# Allegro board gps_interface_boardv54dc.brd (continued)
## Placement (name value [footprint] x y rotation side) (continued)
R74  75 Ohm  [RES0805]  85.06 16.92 0 bottom
R75  DNP  [RES0603]  67.79 7.59 180 top
R76  DNP  [RES0603]  67.79 11.18 180 top
R77  DNP  [RES0603]  67.77 14.5 180 top
R78  97.6k  [RES0402]  86.44 4.42 270 top
R79  20k  [RES0402]  84.84 4.45 90 top
R80  75 Ohm  [RES0805]  89.79 16.84 0 bottom
R81  1k  [RES0402]  111.79 30.43 0 bottom
R82  1k  [RES0402]  107.29 29.92 180 bottom
R83  4.7K  [RES0603]  88.72 121.08 270 bottom
R84  4.7K  [RES0603]  73.51 121.08 270 bottom
R85  4.7K  [RES0603]  87.25 121.08 270 bottom
R86  4.7K  [RES0603]  75.03 121.08 270 bottom
R87  4.7K  [RES0603]  85.8 121.08 270 bottom
R88  4.7K  [RES0603]  76.53 121.08 270 bottom
R89  4.7K  [RES0603]  84.33 121.08 270 bottom
R90  4.7K  [RES0603]  78.08 121.08 270 bottom
R91  4.7K  [RES0603]  117.68 118.9 0 bottom
R92  4.7K  [RES0603]  122.4 118.9 180 bottom
R93  4.99k  [RES0402]  88.16 115.75 180 bottom
R94  4.99k  [RES0402]  88.16 114.38 180 bottom
R95  4.99k  [RES0402]  102.18 111.91 0 bottom
R96  4.7K  [RES0603]  112.01 108.41 180 bottom
R97  4.7K  [RES0603]  124.79 107.92 0 bottom
R98  4.7K  [RES0603]  112.01 110.16 180 bottom
R99  4.7K  [RES0603]  124.79 109.75 0 bottom
R100  4.7K  [RES0603]  112.01 111.91 180 bottom
R101  4.7K  [RES0603]  124.79 111.56 0 bottom
R102  4.7K  [RES0603]  106.32 112.01 0 bottom
R103  4.7K  [RES0603]  106.32 110.64 0 bottom
R104  49.9 Ohm  [RES0603]  284.63 17.09 0 top
R105  49.9 Ohm  [RES0603]  281.53 17.09 180 top
R106  1k  [RES0402]  271.17 19 270 bottom
R107  1k  [RES0402]  271.17 24.82 90 bottom
R108  49.9 Ohm  [RES0603]  291.62 17.09 0 top
R109  49.9 Ohm  [RES0603]  288.57 17.09 180 top
R110  1k  [RES0402]  301.42 18.97 270 bottom
R111  1k  [RES0402]  301.4 24.82 90 bottom
R112  0  [RES0402]  44.75 86.59 90 bottom
R113  0  [RES0402]  43.76 86.59 90 bottom
R114  0  [RES0402]  48.29 98.42 0 bottom
R115  0  [RES0402]  45.75 101.98 90 bottom
R116  100  [RES0603]  235.71 20.55 180 bottom
R117  200  [RES0603]  238.86 20.55 0 bottom
R118  0  [RES0402]  44.73 101.98 90 bottom
R119  49.9 Ohm  [RES0603]  285.55 85.24 270 top
R120  49.9 Ohm  [RES0603]  285.55 82.32 90 top
R121  6.81k  [RES0402]  288.7 85.9 270 top
R122  6.81k  [RES0402]  288.7 81.51 90 top
R123  3.83K  [RES0402]  287.63 85.9 90 top
R124  4.7k  [RES0402]  287.27 123.47 270 bottom
R125  4.7k  [RES0402]  282.35 123.47 270 bottom
R126  3.83K  [RES0402]  287.63 81.51 270 top
R127  4.7k  [RES0402]  284.2 123.47 270 bottom
R128  4.99K  [RES0603]  280.29 88.34 0 top
R129  4.7k  [RES0402]  283.29 123.47 270 bottom
R130  4.99K  [RES0603]  280.26 86.94 0 top
R131  100  [RES0402]  278.66 76.56 180 bottom
R132  200  [RES0603]  277.16 107.9 180 bottom
R133  200  [RES0603]  278.36 74.98 180 bottom
R140  49.9 Ohm  [RES0603]  263.47 85.34 270 top
R141  49.9 Ohm  [RES0603]  263.47 82.42 90 top
R142  6.81k  [RES0402]  266.57 85.98 270 top
R143  6.81k  [RES0402]  266.62 81.61 90 top
R144  3.83K  [RES0402]  265.56 85.98 90 top
R145  4.7k  [RES0402]  265.2 123.47 270 bottom
R146  4.7k  [RES0402]  260.27 123.47 270 bottom
R147  3.83K  [RES0402]  265.56 81.61 270 top
R148  4.7k  [RES0402]  262.13 123.47 270 bottom
R149  4.99K  [RES0603]  258.22 88.44 0 top
R150  4.7k  [RES0402]  261.21 123.47 270 bottom
R151  4.99K  [RES0603]  258.19 87.05 0 top
R152  100  [RES0402]  256.59 76.66 180 bottom
R153  200  [RES0603]  255.09 107.9 180 bottom
R154  200  [RES0603]  256.29 75.08 180 bottom
R161  49.9 Ohm  [RES0603]  241.17 85.34 270 top
R162  49.9 Ohm  [RES0603]  241.17 82.42 90 top
R163  6.81k  [RES0402]  244.32 86 270 top
R164  6.81k  [RES0402]  244.32 81.61 90 top
R165  3.83K  [RES0402]  243.26 86 90 top
R166  4.7k  [RES0402]  242.9 123.47 270 bottom
R167  4.7k  [RES0402]  237.97 123.47 270 bottom
R168  3.83K  [RES0402]  243.26 81.61 270 top
R169  4.7k  [RES0402]  239.83 123.47 270 bottom
R170  4.99K  [RES0603]  235.92 88.44 0 top
R171  4.7k  [RES0402]  238.91 123.47 270 bottom
R172  4.99K  [RES0603]  235.89 87.05 0 top
R173  100  [RES0402]  235.05 77.88 180 bottom
R174  200  [RES0603]  232.79 107.9 180 bottom
R175  200  [RES0603]  234.75 76.3 180 bottom
R182  49.9 Ohm  [RES0603]  211.96 85.34 270 top
R183  49.9 Ohm  [RES0603]  211.96 82.42 90 top
R184  6.81k  [RES0402]  215.11 86 270 top
R185  6.81k  [RES0402]  215.11 81.61 90 top
R186  3.83K  [RES0402]  214.05 86 90 top
R187  4.7k  [RES0402]  213.66 123.47 270 bottom
R188  4.7k  [RES0402]  208.74 123.47 270 bottom
R189  3.83K  [RES0402]  214.05 81.61 270 top
R190  4.7k  [RES0402]  210.59 123.47 270 bottom
R191  4.99K  [RES0603]  206.71 88.44 0 top
R192  4.7k  [RES0402]  209.68 123.47 270 bottom
R193  4.99K  [RES0603]  206.68 87.05 0 top
R194  100  [RES0402]  206.1 77.9 180 bottom
R195  200  [RES0603]  203.56 107.9 180 bottom
R196  200  [RES0603]  205.79 76.33 180 bottom
R203  49.9 Ohm  [RES0603]  189.66 85.34 270 top
R204  49.9 Ohm  [RES0603]  189.66 82.42 90 top
R205  6.81k  [RES0402]  192.81 86 270 top
R206  6.81k  [RES0402]  192.81 81.61 90 top
R207  3.83K  [RES0402]  191.74 86 90 top
R208  4.7k  [RES0402]  191.36 123.47 270 bottom
R209  4.7k  [RES0402]  186.44 123.47 270 bottom
R210  3.83K  [RES0402]  191.74 81.61 270 top
R211  4.7k  [RES0402]  188.29 123.47 270 bottom
R212  4.99K  [RES0603]  184.4 88.44 0 top
R213  4.7k  [RES0402]  187.38 123.47 270 bottom
R214  4.99K  [RES0603]  184.38 87.05 0 top
R215  100  [RES0402]  186.92 77.9 180 bottom
R216  200  [RES0603]  181.25 107.9 180 bottom
R217  200  [RES0603]  186.61 76.33 180 bottom
R224  49.9 Ohm  [RES0603]  167.54 85.34 270 top
R225  49.9 Ohm  [RES0603]  167.54 82.42 90 top
R226  6.81k  [RES0402]  170.69 86 270 top
R227  6.81k  [RES0402]  170.69 81.61 90 top
R228  3.83K  [RES0402]  169.62 86 90 top
R229  4.7k  [RES0402]  169.24 123.47 270 bottom
R230  4.7k  [RES0402]  164.31 123.47 270 bottom
R231  3.83K  [RES0402]  169.62 81.61 270 top
R232  4.7k  [RES0402]  166.17 123.47 270 bottom
R233  4.99K  [RES0603]  162.28 88.44 0 top
R234  4.7k  [RES0402]  165.25 123.47 270 bottom
R235  4.99K  [RES0603]  162.28 87.05 0 top
R236  100  [RES0402]  164.8 77.9 180 bottom
R237  200  [RES0603]  159.13 107.9 180 bottom
R238  200  [RES0603]  164.49 76.33 180 bottom
R245  4.7K  [RES0603]  219.38 7.59 270 bottom
R246  4.7K  [RES0603]  207.47 7.67 270 bottom
R247  0  [RES0402]  196.04 13.39 270 top
R248  0  [RES0402]  212.95 13.39 270 top
R249  0  [RES0402]  225.35 12.09 270 top
R250  0  [RES0402]  208.69 12.09 270 top
R251  4.7K  [RES0603]  221.16 7.59 270 bottom
R252  4.7K  [RES0603]  205.82 7.67 270 bottom
R253  0 Ohm  [RES0603]  24.13 86.61 0 top
R254  1k  [RES0402]  261.52 17.98 90 bottom
R255  0  [RES0402]  43.71 101.98 90 bottom
R256  0  [RES0402]  42.7 101.98 90 bottom
R257  0  [RES0402]  40.08 98.4 180 bottom
R258  DNP  [RES0402]  48.36 65.53 0 bottom
R259  0  [RES0402]  45.8 69.09 90 bottom
R260  DNP  [RES0402]  44.78 69.09 90 bottom
R261  DNP  [RES0402]  43.76 69.09 90 bottom
R262  0  [RES0402]  42.75 69.09 90 bottom
R263  0  [RES0402]  40.11 65.58 180 bottom
R264  49.9  [RES0402]  67.76 137.06 0 top
R265  ZERO  [RES0402]  67.71 134.8 180 top
R266  DNP  [RES0402]  67.71 133.43 0 top
R267  49.9  [RES0402]  16.06 136.02 180 top
R268  49.9  [RES0402]  41.46 136.02 180 top
R1540  100  [RES0402]  108.41 79.88 270 top
R1550  DNP  [RES0402]  90.98 82.45 0 top
R2640  143K  [RES0603]  6.12 17.12 270 top
R2650  280 kOhm  [RES0402]  2.84 19.51 270 top
R2660  4.99K  [RES0603]  2.92 22.96 90 top
R2661  DNP  [RES0402]  48.34 47.55 0 bottom
R2662  0  [RES0402]  45.8 51.1 90 bottom
R2663  DNP  [RES0402]  44.78 51.1 90 bottom
R2664  DNP  [RES0402]  43.76 51.1 90 bottom
R2665  0  [RES0402]  42.75 51.1 90 bottom
R2666  0  [RES0402]  40.13 47.52 180 bottom
R2667  0.0055  [RES0805]  52.45 44.83 180 top
R2668  0.0055  [RES0805]  50.93 62.64 90 top
R2669  DNP  [RES0402]  15.67 68.71 270 top
R2670  1k  [RES0402]  90.98 84.99 180 top
R2676  4.7k  [RES0402]  140 123.47 270 bottom
R2677  4.7k  [RES0402]  135.08 123.47 270 bottom
R2679  4.7k  [RES0402]  136.93 123.47 270 bottom
R2681  4.7k  [RES0402]  136.02 123.47 270 bottom
R2683  100  [RES0402]  115.6 123.29 270 top
R2684  200  [RES0603]  110.16 123.65 90 top
R2685  200  [RES0603]  110.92 126.77 180 top
R2686  0  [RES0402]  133.73 72.85 270 top
R2687  0  [RES0402]  143.94 69.14 0 top
R2688  4.7k  [RES0402]  135.64 63.73 180 top
R2689  100  [RES0402]  133.99 97.28 0 top
R2690  200  [RES0603]  129.9 107.9 180 bottom
R2691  200  [RES0603]  130.91 97.28 180 top
R2692  100  [RES0402]  107.49 75.59 0 top
R2693  100  [RES0402]  106.38 85.9 270 top
R2694  1k  [RES0402]  184.12 26.39 90 top
R2695  DNP  [RES0402]  181.58 26.39 90 top
TP6  5002 White  [TP_KEYSTONE_5000A]  129.18 91.9 0 top
TP7  5002 White  [TP_KEYSTONE_5000A]  125.5 91.9 0 top
TP9  5002 White  [TP_KEYSTONE_5000A]  40.46 30.4 0 top
TP10  5002 White  [TP_KEYSTONE_5000A]  40.46 24.13 0 top
TP11  5002 White  [TP_KEYSTONE_5000A]  28.75 36.09 0 top
TP12  5002 White  [TP_KEYSTONE_5000A]  33.45 36.09 0 top
TP13  5002 White  [TP_KEYSTONE_5000A]  40.46 27.3 0 top
TP14  5002 White  [TP_KEYSTONE_5000A]  56.44 7.44 0 top
TP15  5002 White  [TP_KEYSTONE_5000A]  19.38 66.9 0 top
TP16  5002 White  [TP_KEYSTONE_5000A]  19.41 63.35 0 top
TP17  5002 White  [TP_KEYSTONE_5000A]  50.8 79.68 0 top
TP18  5002 White  [TP_KEYSTONE_5000A]  50.83 76.12 0 top
TP20  5002 White  [TP_KEYSTONE_5000A]  50.85 58.12 0 top
TP21  5002 White  [TP_KEYSTONE_5000A]  114.88 111.35 0 top
TP23  5002 White  [TP_KEYSTONE_5000A]  74.75 111.43 0 top
TP25  5002 White  [TP_KEYSTONE_5000A]  118.41 116.76 0 top
TP26  5002 White  [TP_KEYSTONE_5000A]  121.64 116.81 0 top
TP27  5002 White  [TP_KEYSTONE_5000A]  230.78 16.87 0 top
TP28  5002 White  [TP_KEYSTONE_5000A]  230.63 12.75 0 top
TP30  5002 White  [TP_KEYSTONE_5000A]  121.64 109.75 0 top
TP31  5002 White  [TP_KEYSTONE_5000A]  118.41 109.7 0 top
TP32  5002 White  [TP_KEYSTONE_5000A]  121.64 106.22 0 top
TP33  5002 White  [TP_KEYSTONE_5000A]  118.41 106.17 0 top
TP34  5002 White  [TP_KEYSTONE_5000A]  118.41 113.23 0 top
TP35  5002 White  [TP_KEYSTONE_5000A]  121.64 113.28 0 top
TP38  5002 White  [TP_KEYSTONE_5000A]  82.02 106.17 0 top
TP39  5002 White  [TP_KEYSTONE_5000A]  78.49 106.17 0 top
TP40  5002 White  [TP_KEYSTONE_5000A]  82.02 109.7 0 top
TP41  5002 White  [TP_KEYSTONE_5000A]  78.49 109.7 0 top
TP42  5002 White  [TP_KEYSTONE_5000A]  82.02 113.23 0 top
TP43  5002 White  [TP_KEYSTONE_5000A]  78.46 113.23 0 top
TP44  5002 White  [TP_KEYSTONE_5000A]  82.02 116.76 0 top
TP45  5002 White  [TP_KEYSTONE_5000A]  78.44 116.76 0 top
TP50  5002 White  [TP_KEYSTONE_5000A]  284.35 96.57 270 top
TP51  5002 White  [TP_KEYSTONE_5000A]  262.41 96.6 270 top
TP52  5002 White  [TP_KEYSTONE_5000A]  239.67 96.6 270 top
TP53  5002 White  [TP_KEYSTONE_5000A]  210.06 96.55 270 top
TP54  5002 White  [TP_KEYSTONE_5000A]  184.84 95 270 top
TP55  5002 White  [TP_KEYSTONE_5000A]  166.01 95 270 top
TP56  5002 White  [TP_KEYSTONE_5000A]  281.18 96.6 270 top
TP57  5002 White  [TP_KEYSTONE_5000A]  259.23 96.6 270 top
TP58  5002 White  [TP_KEYSTONE_5000A]  236.5 96.6 270 top
TP59  5002 White  [TP_KEYSTONE_5000A]  206.88 96.55 270 top
TP60  5002 White  [TP_KEYSTONE_5000A]  181.66 95.02 270 top
TP61  5002 White  [TP_KEYSTONE_5000A]  162.84 95 270 top
TP62  5002 White  [TP_KEYSTONE_5000A]  277.98 96.6 270 top
TP64  5002 White  [TP_KEYSTONE_5000A]  256.03 96.6 270 top
TP66  5002 White  [TP_KEYSTONE_5000A]  233.3 96.6 270 top
TP68  5002 White  [TP_KEYSTONE_5000A]  203.68 96.55 270 top
TP70  5002 White  [TP_KEYSTONE_5000A]  178.46 95 270 top
TP72  5002 White  [TP_KEYSTONE_5000A]  159.64 95 270 top
TP75  5002 White  [TP_KEYSTONE_5000A]  56.39 3.99 0 top
TP76  5002 White  [TP_KEYSTONE_5000A]  271.7 11.96 0 top
TP77  5002 White  [TP_KEYSTONE_5000A]  271.68 15.16 0 top
TP78  5002 White  [TP_KEYSTONE_5000A]  297.1 11.89 0 top
TP79  5002 White  [TP_KEYSTONE_5000A]  297.13 15.14 0 top
TP80  5002 White  [TP_KEYSTONE_5000A]  291.69 39.42 0 top
TP81  5002 White  [TP_KEYSTONE_5000A]  300.46 11.86 0 top
TP82  5002 White  [TP_KEYSTONE_5000A]  288.54 36.04 0 top
TP83  5002 White  [TP_KEYSTONE_5000A]  291.67 35.97 0 top
TP84  5002 White  [TP_KEYSTONE_5000A]  281.51 31.27 0 top
TP85  5002 White  [TP_KEYSTONE_5000A]  284.61 31.24 0 top
TP86  5002 White  [TP_KEYSTONE_5000A]  268.33 15.04 0 top
TP87  5002 White  [TP_KEYSTONE_5000A]  284.61 34.72 0 top
TP88  5002 White  [TP_KEYSTONE_5000A]  106.25 92.28 0 top
TP89  5002 White  [TP_KEYSTONE_5000A]  106.25 95.38 0 top
TP760  5002 White  [TP_KEYSTONE_5000A]  13.36 28.99 0 top
TP762  5002 White  [TP_KEYSTONE_5000A]  79.6 69.52 0 top
TP763  5002 White  [TP_KEYSTONE_5000A]  58.06 44.83 0 top
TP764  5002 White  [TP_KEYSTONE_5000A]  144.93 81.76 90 top
TP765  5002 White  [TP_KEYSTONE_5000A]  144.93 77.7 90 top
TP766  5002 White  [TP_KEYSTONE_5000A]  69.93 4.32 0 top
TP880  5002 White  [TP_KEYSTONE_5000A]  112.5 95.07 0 top
TP890  5002 White  [TP_KEYSTONE_5000A]  115.6 93.68 0 top
U1  LTC6957IDD-2#PBF  [DFN_12]  80.09 132.54 270 top
U2  MAX9371ESA  [SOIC8]  16.03 132.11 0 top
U3  MAX9371ESA  [SOIC8]  41.43 132.11 0 top
U5  DRTR5V0U4S-7  [SOT363]  247.01 27.66 0 bottom
U6  LT8645SJV-2  [CONV_T8645SIV]  11.63 45.57 90 top
U7  TPS7A8500RGRT  [QFN20_3P65MMSQ]  12.83 69.77 180 top
U8  LTC2945CUD  [QFN12]  25.53 62.08 0 top
U9  TPS7A8500RGRT  [QFN20_3P65MMSQ]  44.25 82.55 180 top
U10  LTC2945CUD  [QFN12]  64.01 81.05 90 top
U11  TPS7A8500RGRT  [QFN20_3P65MMSQ]  44.22 97.41 180 top
U12  TPS7A8500RGRT  [QFN20_3P65MMSQ]  44.27 64.54 180 top
U13  LTC2945CUD  [QFN12]  56.97 56.85 0 top
U15  TPS3895ADRYR  [DRY6]  90.25 4.55 0 top
U16  GIB_mount_holes  [FXG_M2-7]  5.08 5.08 0 top
U17  TXB0104QPWRQ1  [SOP65P640X120-14N]  113.28 31.8 270 top
U18  TXB0106IPWRQ1  [SOP65P640X120-16N]  105.46 31.52 90 top
U19  TCA9548APWR  [TSSOP_24]  95.53 110.31 0 top
U20  GIB_mount_holes  [FXG_M2-7]  78.74 5.08 0 top
U21  GIB_mount_holes  [FXG_M2-7]  120.86 12.14 0 top
U22  NB7V52MMNG  [PQFN50P300X300X100-17N-S145]  281.86 84.02 0 top
U24  SN74LVC1G32  [SOT23-5]  276.91 80.26 270 bottom
U26  NB7V52MMNG  [PQFN50P300X300X100-17N-S145]  259.79 84.12 0 top
U28  SN74LVC1G32  [SOT23-5]  254.84 80.37 270 bottom
U30  NB7V52MMNG  [PQFN50P300X300X100-17N-S145]  237.49 84.12 0 top
U32  SN74LVC1G32  [SOT23-5]  232.54 80.37 270 bottom
U34  NB7V52MMNG  [PQFN50P300X300X100-17N-S145]  208.28 84.12 0 top
U36  SN74LVC1G32  [SOT23-5]  203.33 80.37 270 bottom
U38  NB7V52MMNG  [PQFN50P300X300X100-17N-S145]  185.98 84.12 0 top
U40  SN74LVC1G32  [SOT23-5]  181.03 80.37 270 bottom
U42  NB7V52MMNG  [PQFN50P300X300X100-17N-S145]  163.86 84.12 0 top
U44  SN74LVC1G32  [SOT23-5]  158.9 80.37 270 bottom
U46  LM75AIMX/NOPB  [SOIC8]  17.93 88.52 0 top
U47  SN74LVC2T45DCU  [SOP50P310X90-8N]  62.88 132.82 270 top
U48  SI5395A-A-GM  [QFN50P900X900X90-65N-S530]  114.76 79.88 0 top
U49  24AA025E48T-I/SN  [SOIC127P600X175-8N]  74.52 12.73 0 top
U52  TCA9539PWR  [SOP65P640X110-24N]  202.64 15.39 180 top
U53  TCA9539PWR  [SOP65P640X110-24N]  218.87 15.52 180 top
U54  GIB_mount_holes  [FXG_M2-7]  183.87 12.14 0 top
U55  GIB_mount_holes  [FXG_M2-7]  226.06 5.08 0 top
U56  GIB_mount_holes  [FXG_M2-7]  299.72 5.08 0 top
U57  GIB_mount_holes  [FXG_M2-7]  299.72 147.32 0 top
U58  GIB_mount_holes  [FXG_M2-7]  226.06 147.32 0 top
U59  GIB_mount_holes  [FXG_M2-7]  152.4 147.32 0 top
U60  GIB_mount_holes  [FXG_M2-7]  78.74 147.32 0 top
U61  GIB_mount_holes  [FXG_M2-7]  5.08 147.32 0 top
U100  LTM8029IYPBF  [BGA35C127P5X8_625X1125X362]  9.8 22.33 90 top
U101  TPS7A8500RGRT  [QFN20_3P65MMSQ]  44.27 46.53 180 top
U102  TPS74618PQWDRBRQ1  [SON65P300X300X100-9N-D]  97.96 90.35 180 top
U104  ADN2814ACPZ  [QFN50P500X500X100-33N-S325]  137.54 70.31 270 top
U105  SN74LVC1G32  [SOT23-5]  123.01 122.89 0 top
U106  SN74LVC1G32  [SOT23-5]  146.71 93.88 0 top
U107  SY58608UMG  [QFN50P300X300X90-17N]  138.05 91.52 270 top
Y1  SiT5021AI-2DE-25E-50_000000  [QFN_7050_6PINS]  95.4 82.45 270 top
Y2  SiT5021AI-2DE-25E-50_000000  [QFN_7050_6PINS]  181.58 22.02 180 top

## Library data of the parts
C1 C3 C5-C29 C34-C44 C49-C65 C69-C80 C83-C88 C97-C113 C115-C117 C119 C123 C127-C129 C270-C272 C274-C277 C2711 C2735-C2738 C3712-C3715 = CAP_NP: Tolerance: TOL?; User Part Number: PN?
C66 C67 C81 C82 = CAP_NP
C132-C137 C140 C141 = CAP_NP: Tolerance: TOL?; User Part Number: PN?; room: SFP1
C138 C139 = CAP_NP: User Part Number: PN?; Tolerance: TOL?; room: SFP1
C155-C164 = CAP_NP: Tolerance: TOL?; User Part Number: PN?; room: SFP2
C178-C183 C186 C187 = CAP_NP: Tolerance: TOL?; User Part Number: PN?; room: SFP3
C184 C185 = CAP_NP: User Part Number: PN?; Tolerance: TOL?; room: SFP3
C201-C210 = CAP_NP: Tolerance: TOL?; User Part Number: PN?; room: SFP4
C224-C233 = CAP_NP: Tolerance: TOL?; User Part Number: PN?; room: SFP5
C247-C255 = CAP_NP: Tolerance: TOL?; User Part Number: PN?; room: SFP6
C256 = CAP_NP: room: SFP6
C2650 C2660 C2670 C2680 C2690 C2710 = CAP_NP: User Part Number: PN?; Tolerance: TOL?
C2712-C2714 C2717-C2719 = CAP_NP: User Part Number: PN?; Tolerance: TOL?; room: ACLK_SFP
C2722-C2734 C2739-C2750 = CAP_NP: Tolerance: TOL?; User Part Number: PN?; room: ACLK_SFP
D1 D15 = LED
D2 D4-D8 D14 = LED GREEN 0603_0
D16 = LED GREEN 0603_0: room: SFP1
D17 = LED: room: SFP1
D20 = LED GREEN 0603_0: room: SFP2
D21 = LED: room: SFP2
D24 = LED GREEN 0603_0: room: SFP3
D25 = LED: room: SFP3
D28 = LED GREEN 0603_0: room: SFP4
D29 = LED: room: SFP4
D32 = LED GREEN 0603_0: room: SFP5
D33 = LED: room: SFP5
D36 = LED GREEN 0603_0: room: SFP6
D37 = LED: room: SFP6
D40 D42 = LED GREEN 0603_0: room: ACLK_SFP
D41 D43 = LED: room: ACLK_SFP
F1 F2 = FUSE: Tolerance: TOL?; User Part Number: PN?
FL1 = 490-11112-1-ND
IC1 IC2 U47 = 74AVC2T45_DCT
J1 J4-J6 = BNC_TE_1-1634612-0
J8 = CON160P_11
J11 J12 J15 J16 = HDR1x2
J13 = CON20P_SFP-1367073-1: room: SFP1
J14 = CON20P_SFP-1367073-1: room: SFP2
J17 = 6-2301994-2
J18 = CON20P_SFP-1367073-1: room: SFP3
J19 = CON20P_SFP-1367073-1: room: SFP4
J20 = CON20P_SFP-1367073-1: room: SFP5
J21 = CON20P_SFP-1367073-1: room: SFP6
J27-J29 = 3pin-22-23-2031
J30 = CON20P_SFP-1367073-1: room: ACLK_SFP
J100 J101 = U.FL-R-SMT_10_
J300 = 172448-0004
L1-L3 L5 L19 = IND: Tolerance: TOL?; User Part Number: PN?
L6 L20 = IND
L7 L8 = IND: room: SFP1
L9 L10 = IND: room: SFP2
L11 L12 = IND: room: SFP3
L13 L14 = IND: room: SFP4
L15 L16 = IND: room: SFP5
L17 L18 = IND: room: SFP6
L21 = IND: room: ACLK_SFP
L22 = IND: Tolerance: TOL?; User Part Number: PN?; room: ACLK_SFP
P1 = RECPT 6X2 100MIL
P2 = RECEPT 10X2 100 MIL
Q1 Q3-Q7 Q10-Q12 Q14 = BSS138
R1 R2 R4 R9-R26 R31-R65 R70-R118 R245-R268 R1540 R1550 R2640 R2650 R2660 R2661 R2663 R2664 R2668-R2670 R2692-R2695 = R: Tolerance: TOL?; User Part Number: PN?
R119-R133 = R: Tolerance: TOL?; User Part Number: PN?; room: SFP1
R140-R148 R150 R152-R154 = R: Tolerance: TOL?; User Part Number: PN?; room: SFP2
R149 R151 = R: User Part Number: PN?; Tolerance: TOL?; room: SFP2
R161-R175 = R: Tolerance: TOL?; User Part Number: PN?; room: SFP3
R182-R190 R192 R194-R196 = R: Tolerance: TOL?; User Part Number: PN?; room: SFP4
R191 R193 = R: User Part Number: PN?; Tolerance: TOL?; room: SFP4
R203-R217 = R: Tolerance: TOL?; User Part Number: PN?; room: SFP5
R224-R238 = R: Tolerance: TOL?; User Part Number: PN?; room: SFP6
R2662 R2665-R2667 = R: User Part Number: PN?; Tolerance: TOL?
R2676 R2677 R2679 R2681 R2690 = R: User Part Number: PN?; Tolerance: TOL?; room: ACLK_SFP
R2683-R2689 R2691 = R: Tolerance: TOL?; User Part Number: PN?; room: ACLK_SFP
TP6 TP7 TP9-TP18 TP20 TP21 TP23 TP25-TP28 TP30-TP35 TP38-TP45 TP75-TP89 TP760 TP762 TP763 TP880 TP890 = TESTPOINT
TP50 TP56 TP62 = TESTPOINT: room: SFP1
TP51 TP57 TP64 = TESTPOINT: room: SFP2
TP52 TP58 TP66 = TESTPOINT: room: SFP3
TP53 TP59 TP68 = TESTPOINT: room: SFP4
TP54 TP60 TP70 = TESTPOINT: room: SFP5
TP55 TP61 TP72 = TESTPOINT: room: SFP6
TP764-TP766 = TESTPOINT: room: ACLK_SFP
U1 = LTC6957-2_3
U2 U3 = MAX9371ESA: Tolerance: ***; User Part Number: ***
U5 = DRTR5V0U4S
U6 = LT8645
U7 U9 U11 U12 U101 = TPS7A8500RGRT
U8 U10 U13 = LTC2945CUD
U15 = TPS3895A: User Part Number: PN; Tolerance: TOL
U16 U20 U21 U54-U61 = GIB_mount_holes_0
U17 = TXB0104QPWRQ1
U18 = TXB0106IPWRQ1
U19 = TCA9548APWR
U22 = NB7V52M_2: room: SFP1
U24 = SN74LVC1G32_4: room: SFP1
U26 = NB7V52M_2: room: SFP2
U28 = SN74LVC1G32_4: room: SFP2
U30 = NB7V52M_2: room: SFP3
U32 = SN74LVC1G32_4: room: SFP3
U34 = NB7V52M_2: room: SFP4
U36 = SN74LVC1G32_4: room: SFP4
U38 = NB7V52M_2: room: SFP5
U40 = SN74LVC1G32_4: room: SFP5
U42 = NB7V52M_2: room: SFP6
U44 = SN74LVC1G32_4: room: SFP6
U46 = LM75AIMX_0: Tolerance: ***; User Part Number: ***
U48 = SI5395_QFN_1
U49 = 24AA025E48_SOIC_1
U52 U53 = PCA9539_TSSOP_2
U100 = LTM8029IY_PBF
U102 = TPS74618PQWDRBRQ1
U104 = ADN2814ACPZ_1: room: ACLK_SFP
U105 U106 = SN74LVC1G32_4: room: ACLK_SFP
U107 = SY58608UMG
Y1 Y2 = SiT5021AI-2DE-25E-50_0

## Footprints (pads in the part's own frame, mm; a bottom-side part is the same pattern mirrored in y, then rotated)
22-23-2031
  oval 1.508x3.016 hole 1: 1(-2.54,0) 2(0,0) 3(2.54,0)
172448-YY04
  round 3 hole 3 unplated: (-2.1,-7.3)
  rect 2.3x2.3 hole 1.8: 1(0,0)
  round 2.3 hole 1.8: 2(-4.2,0) 3(0,5.5) 4(-4.2,5.5)
BGA35C127P5X8_625X1125X362
  round 0.522 smd: A1(-2.54,4.445) A2(-1.27,4.445) A4(1.27,4.445) A5(2.54,4.445) B1(-2.54,3.175) B2(-1.27,3.175) B4(1.27,3.175) B5(2.54,3.175) C1(-2.54,1.905) C2(-1.27,1.905) D1(-2.54,0.635) D2(-1.27,0.635) D3(0,0.635) D4(1.27,0.635) D5(2.54,0.635) E1(-2.54,-0.635) E2(-1.27,-0.635) E3(0,-0.635) E4(1.27,-0.635) E5(2.54,-0.635) F1(-2.54,-1.905) F2(-1.27,-1.905) F3(0,-1.905) F4(1.27,-1.905) F5(2.54,-1.905) G1(-2.54,-3.175) G2(-1.27,-3.175) G3(0,-3.175) G4(1.27,-3.175) G5(2.54,-3.175) H1(-2.54,-4.445) H2(-1.27,-4.445) H3(0,-4.445) H4(1.27,-4.445) H5(2.54,-4.445)
CAP0402
  rect 0.635x0.686 smd: 1(-0.499,0) 2(0.499,0)
CAP0603
  rect 1.05x1.08 smd: 1(-0.865,0) 2(0.865,0)
CAP0805
  rect 1.3x1.5 smd: 1(-1,0) 2(1,0)
CAP1206
  rect 1.5x2 smd: 1(-1.5,0) 2(1.5,0)
CAP1210
  rect 1.524x2.54 smd: 1(-1.524,0) 2(1.524,0)
CONV_T8645SIV
  rect 0.7x0.25 smd: 1(-1.9,2.25) 2(-1.9,1.75) 3(-1.9,1.25) 4(-1.9,0.75) 5(-1.9,0.25) 6(-1.9,-0.25) 7(-1.9,-0.75) 8(-1.9,-1.25) 9(-1.9,-1.75) 10(-1.9,-2.25) 17(1.9,-2.25) 18(1.9,-1.75) 19(1.9,-1.25) 20(1.9,-0.75) 21(1.9,-0.25) 22(1.9,0.25) 23(1.9,0.75) 24(1.9,1.25) 25(1.9,1.75) 26(1.9,2.25)
  rect 0.25x0.7 smd: 11(-1.25,-2.9) 12(-0.75,-2.9) 13(-0.25,-2.9) 14(0.25,-2.9) 15(0.75,-2.9) 16(1.25,-2.9) 27(1.25,2.9) 28(0.75,2.9) 29(0.25,2.9) 30(-0.25,2.9) 31(-0.75,2.9) 32(-1.25,2.9)
  rect 1.125x1.355 smd: 33(-0.662,1.543) 34(0.662,1.543) 37(-0.662,-1.543) 38(0.662,-1.543)
  rect 1.125x1.33 smd: 35(-0.662,0) 36(0.662,0)
  rect 0.375x0.375 smd: 39(-1.813,2.813) 40(-1.813,-2.813) 41(1.813,-2.813) 42(1.813,2.813)
DFN_12
  rect 0.711x0.254 smd: 1(-1.45,1.25) 2(-1.45,0.75) 3(-1.45,0.25) 4(-1.45,-0.25) 5(-1.45,-0.75) 6(-1.45,-1.25) 7(1.45,-1.25) 8(1.45,-0.75) 9(1.45,-0.25) 10(1.45,0.25) 11(1.45,0.75) 12(1.45,1.25)
  rect 1.702x3.302 smd: 13(0,0)
DRY6
  rect 0.55x0.3 smd: 1(-0.355,0.5)
  rect 0.52x0.3 smd: 2(-0.37,0) 3(-0.37,-0.5) 4(0.37,-0.5) 5(0.37,0) 6(0.37,0.5)
FIL_DLW5BTM501SQ2L
  custom 2.3x1.7 smd: 1(0.875,1.075) 2(-0.875,1.075) 3(-0.875,-1.075) 4(0.875,-1.075)
FXG_M2-7
  round 3.988 hole 2.692: 1(0,0)
HDR1X2
  rect 1.778x1.778 hole 1.016: 1(0,0)
  round 1.778 hole 1.016: 2(2.54,0)
LEDC1608X80N
  rect 0.9x0.95 smd: 1(-0.8,0) 2(0.8,0)
PQFN50P300X300X100-17N-S145
  rect 0.5x0.3 smd: 1(-1.35,0.75) 2(-1.35,0.25) 3(-1.35,-0.25) 4(-1.35,-0.75) 9(1.35,-0.75) 10(1.35,-0.25) 11(1.35,0.25) 12(1.35,0.75)
  rect 0.3x0.5 smd: 5(-0.75,-1.35) 6(-0.25,-1.35) 7(0.25,-1.35) 8(0.75,-1.35) 13(0.75,1.35) 14(0.25,1.35) 15(-0.25,1.35) 16(-0.75,1.35)
  rect 1.45x1.45 smd: 17(0,0)
QFN12
  rect 0.711x0.254 smd: 1(-1.4,0.5) 2(-1.4,0) 3(-1.4,-0.5) 7(1.4,-0.5) 8(1.4,0) 9(1.4,0.5)
  rect 0.254x0.711 smd: 4(-0.5,-1.4) 5(0,-1.4) 6(0.5,-1.4) 10(0.5,1.4) 11(0,1.4) 12(-0.5,1.4)
  rect 1.651x1.651 smd: 13(0,0)
QFN20_3P65MMSQ
  rrect 0.51x0.305 smd: 1(-1.82,1) 2(-1.82,0.5) 3(-1.82,0) 4(-1.82,-0.5) 5(-1.82,-1) 11(1.82,-1) 12(1.82,-0.5) 13(1.82,0) 14(1.82,0.5) 15(1.82,1)
  rrect 0.305x0.51 smd: 6(-1,-1.82) 7(-0.5,-1.82) 8(0,-1.82) 9(0.5,-1.82) 10(1,-1.82) 16(1,1.82) 17(0.5,1.82) 18(0,1.82) 19(-0.5,1.82) 20(-1,1.82)
  rect 2.032x2.032 smd: 21(0,0)
QFN50P300X300X90-17N
  rect 0.85x0.25 smd: 1(-1.45,0.75) 2(-1.45,0.25) 3(-1.45,-0.25) 4(-1.45,-0.75) 9(1.45,-0.75) 10(1.45,-0.25) 11(1.45,0.25) 12(1.45,0.75)
  rect 0.25x0.85 smd: 5(-0.75,-1.45) 6(-0.25,-1.45) 7(0.25,-1.45) 8(0.75,-1.45) 13(0.75,1.45) 14(0.25,1.45) 15(-0.25,1.45) 16(-0.75,1.45)
  rect 1.6x1.6 smd: 17(0,0)
QFN50P500X500X100-33N-S325
  rect 0.8x0.25 smd: 1(-2.45,1.75) 2(-2.45,1.25) 3(-2.45,0.75) 4(-2.45,0.25) 5(-2.45,-0.25) 6(-2.45,-0.75) 7(-2.45,-1.25) 8(-2.45,-1.75) 17(2.45,-1.75) 18(2.45,-1.25) 19(2.45,-0.75) 20(2.45,-0.25) 21(2.45,0.25) 22(2.45,0.75) 23(2.45,1.25) 24(2.45,1.75)
  rect 0.25x0.8 smd: 9(-1.75,-2.45) 10(-1.25,-2.45) 11(-0.75,-2.45) 12(-0.25,-2.45) 13(0.25,-2.45) 14(0.75,-2.45) 15(1.25,-2.45) 16(1.75,-2.45) 25(1.75,2.45) 26(1.25,2.45) 27(0.75,2.45) 28(0.25,2.45) 29(-0.25,2.45) 30(-0.75,2.45) 31(-1.25,2.45) 32(-1.75,2.45)
  rect 3.25x3.25 smd: 33(0,0)
